# KiCad board panel.kicad_pcb (continued)
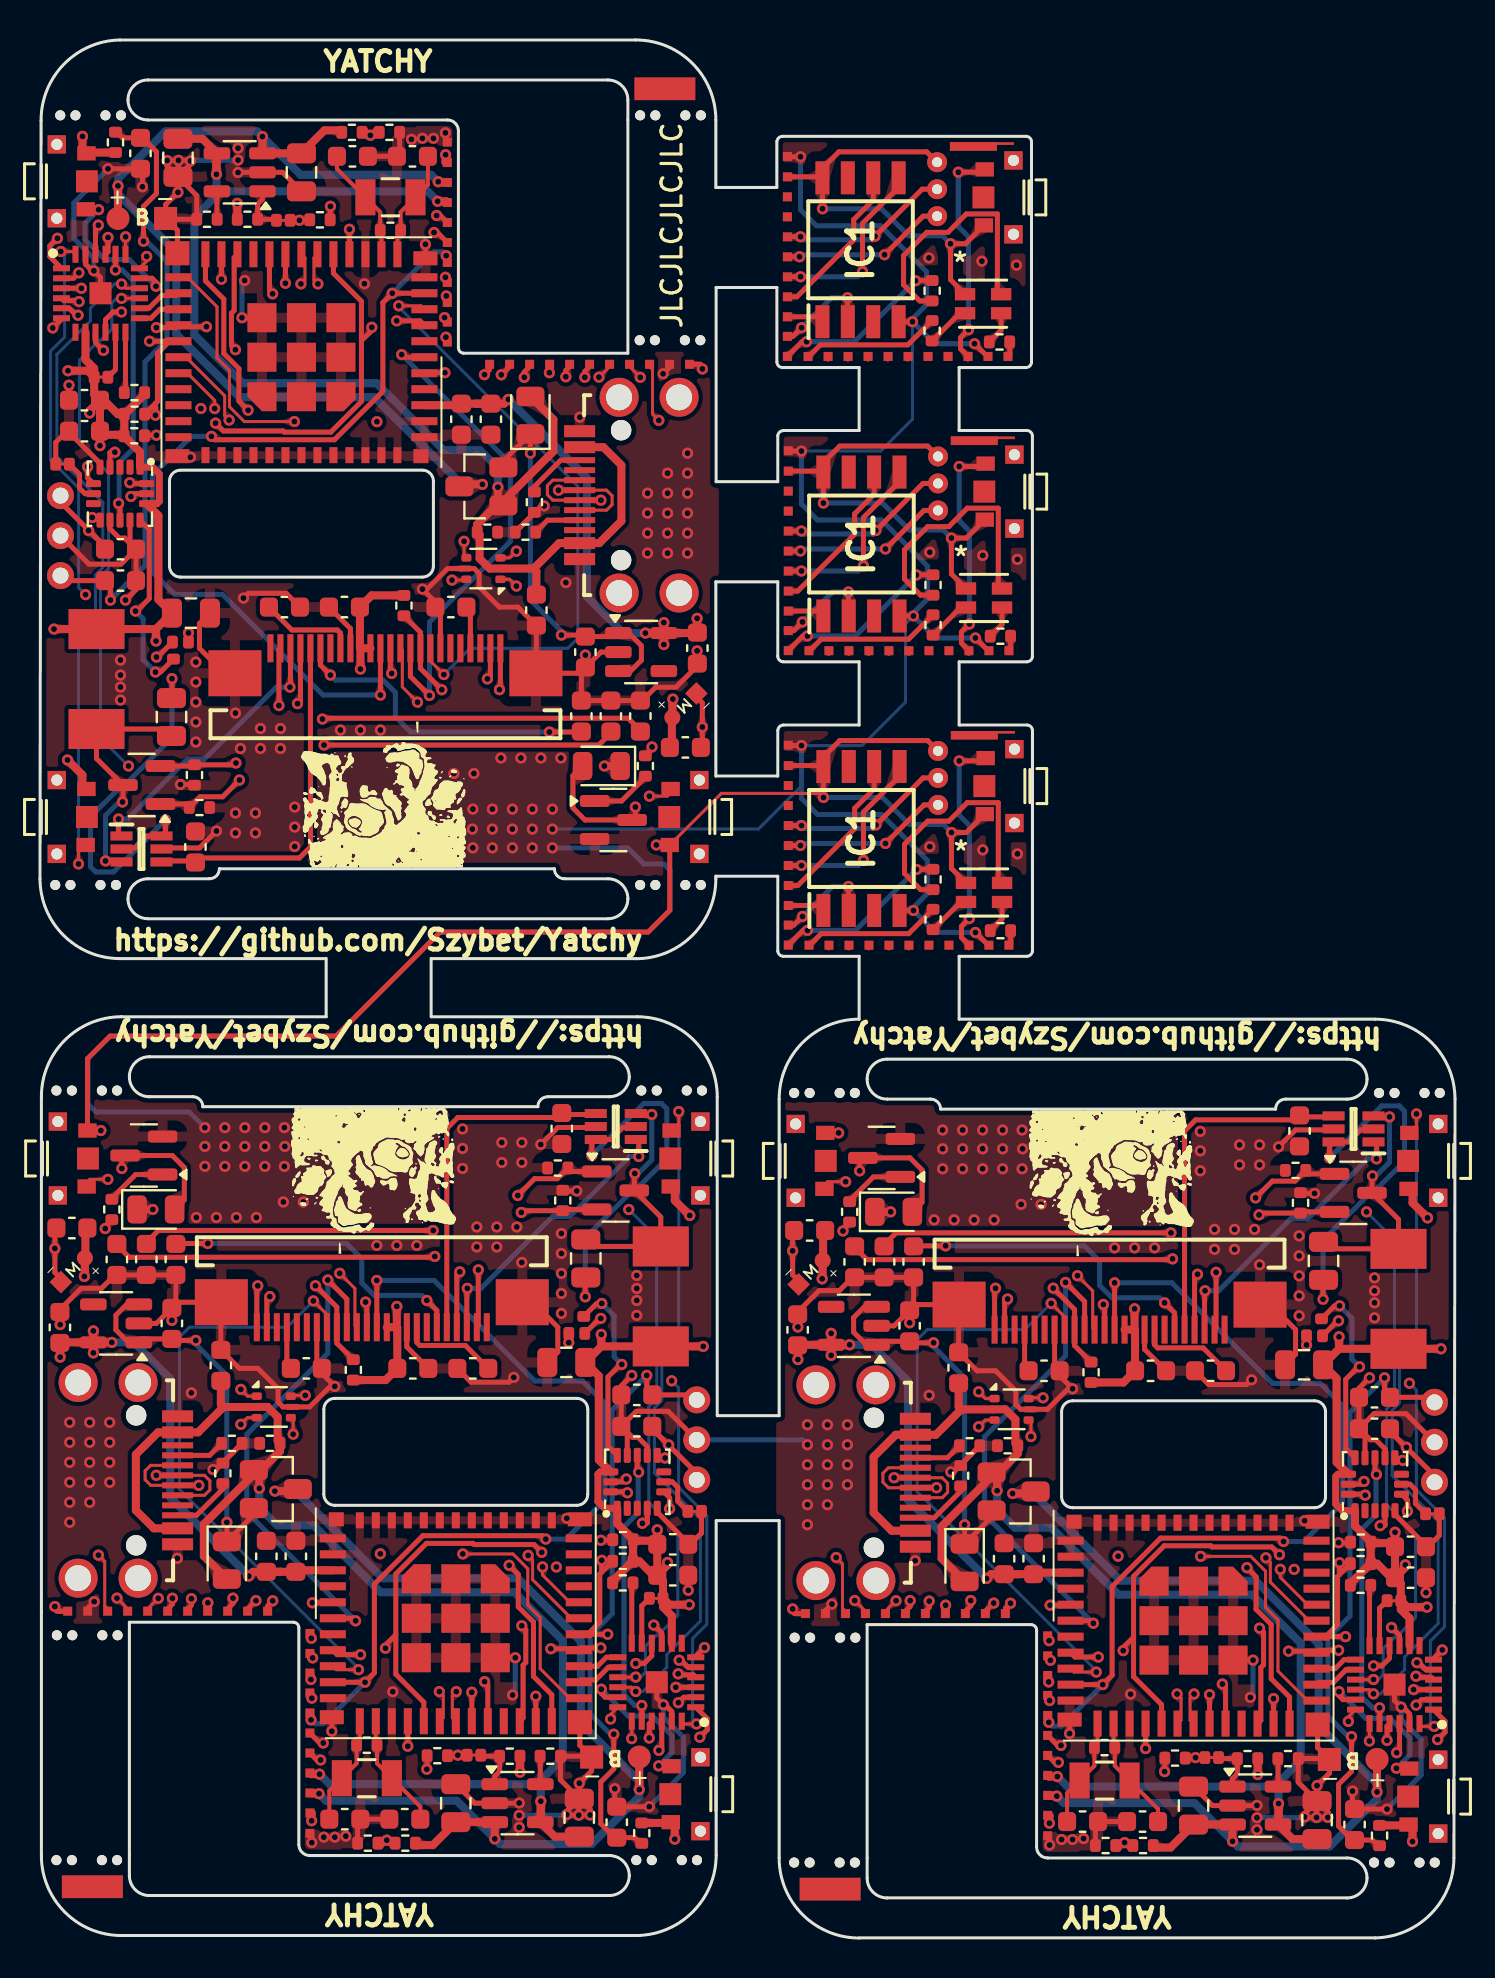
[diagram p0: board, top side]
## Library data of the parts
AC1 AC1#2 AC1#3 = -: Datasheet: http://www.st.com/content/ccc/resource/technical/document/datasheet/3c/ae/50/85/d6/b1/46/fe/CD00274221.pdf/files/CD00274221.pdf/jcr:content/translations/en.CD00274221.pdf; Description: Accelerometer 3-Axis 2g/16g 1.8V LGA16 STMicroelectronics LIS3DHTR Accelerometer IC, 3-axis, I2C, SPI 1.71  3.6 V, 16-Pin LGA; Height: 1; Manufacturer_Name: STMicroelectronics
BT1 BT1#2 BT1#3 = -: Description: Single-cell battery
C1#2 C2 C3#2 C4#2 C5 C6#2 C7#2 C8#2 C9 C10 C12#2 C13 C14#3 C18#3 C19#2 C20#3 C21#3 C22 C23#3 C24#2 C25 C26#3 C29 C30#3 = -: ki_fp_filters: C_*
D4#3 = -: ki_fp_filters: TO-???* *_Diode_* *SingleDiode* D_*
D5 D5#2 D5#3 = -: Datasheet: https://www.diodes.com/assets/Datasheets/BAT54TW_ADW_CDW_SDW_BRW.pdf; Description: Diodes Inc BAT54TW-7-F, Triple SMT Schottky Diode, Isolated, 30V 200mA, 5ns, 6-Pin SOT-363; Height: 1.1; Manufacturer_Name: Diodes Incorporated
D6 = -: Datasheet: http://www.vishay.com/docs/88503/1n4001.pdf; ki_fp_filters: D*DO?41*
D6#2 D6#3 = -: Datasheet: http://www.vishay.com/docs/88503/1n4001.pdf
IC1 IC1#2 IC1#3 = -: Datasheet: https://datasheet.datasheetarchive.com/originals/distributors/DKDS-14/274584.pdf; Description: IC FLASH 64M SPI 80MHZ 8SOP; Height: 2.16; Manufacturer_Name: Macronix
IC2 IC2#2 IC2#3 = -: Datasheet: https://ms.componentsearchengine.com/Datasheets/2/MCP23018-E_MJ.pdf; Description: MICROCHIP - MCP23018-E/MJ - I/O Expander, 16bit, 3.4 MHz, I2C, 1.8 V, 5.5 V, QFN; Height: 0.9; Manufacturer_Name: Microchip; Manufacturer_Part_Number: MCP23018-E/MJ
IC3 IC3#2 IC3#3 = -: Datasheet: https://datasheet.datasheetarchive.com/originals/distributors/Datasheets-DGA15/727147.pdf; Description: Microchip MCP73831T-2ATI/OT, Battery Charge Controller Lithium-Ion/Polymer, 500mA, 5-pin SOT-23; Height: 1.45; Manufacturer_Name: Microchip; Manufacturer_Part_Number: MCP73831T-2ATI/OT
J1 J1#2 J1#3 J1#6 J2 J2#2 J2#5 J2#6 J6 J6#3-J6#5 J7 J7#2 J7#3 J7#5 J8 J8#2 J8#4 J8#5 J9 J9#3-J9#5 J10#2 J10#4-J10#6 J11 J11#2 J11#4 J11#6 J12 J12#4-J12#6 J13 J13#2 J13#4 J13#6 J14#3-J14#6 J15 J15#4-J15#6 J16 J16#3-J16#5 J17 J17#2 J17#5 J17#6 J18#2-J18#5 J19 J19#2 J19#5 J19#6 J20 J20#2-J20#4 J21 J21#3-J21#5 J22 J22#3-J22#5 J23#2-J23#4 J23#6 J24 J24#2 J24#3 J24#5 J25 J25#2 J25#3 J25#6 = -: Description: Generic connector, single row, 01x01, script generated; ki_fp_filters: Connector*:*_1x??_*
J1#4 J1#5 J2#3 J2#4 J6#2 J6#6 J7#4 J7#6 J8#3 J8#6 J9#2 J9#6 J10 J10#3 J11#3 J11#5 J12#2 J12#3 J13#3 J13#5 J14 J14#2 J15#2 J15#3 J16#2 J16#6 J17#3 J17#4 J18 J18#6 J19#3 J19#4 J20#5 J20#6 J21#2 J21#6 J22#2 J22#6 J23 J23#5 J24#4 J24#6 J25#4 J25#5 = -: Description: Generic connector, single row, 01x01, script generated
J4 J4#2 J4#3 = -: Datasheet: https://www.gct.co/files/drawings/USB4730.pdf; Description: USB Connectors USB2.0 TypeC Recpt. Kit, w/GASKET GF, 16P Horz T.Mt. SMT, IP67; Height: 4.81; Mouser Part Number: 640-USB4730GFAKIT; Mouser Price/Stock: https://www.mouser.co.uk/ProductDetail/GCT/USB4730-GF-A-KIT?qs=Z%252BL2brAPG1IoU%252BBwnQ%2FE8Q%3D%3D; Manufacturer_Name: GCT (GLOBAL CONNECTOR TECHNOLOGY)
J5 J5#2 J5#3 = -: Datasheet: https://cdn.amphenol-cs.com/media/wysiwyg/files/drawing/10116954.pdf; Description: 24 Position FPC Connector Contacts, Top 0.020" (0.50mm) Surface Mount, Right Angle  Click Image to Enlarge Skip to the beginning of the images gallery OVERVIEW DESCRIPTION 0.50mm Flex Connector, SFV-R Series, 24 Position, Top Side Contact, Side Entry Surface Mount ZIF Connector, Halogen Free, Lead Free with Cable-Lock, Gold Flash; Height: 2; Manufacturer_Name: Amphenol
J26 J26#3 = -: Description: Generic connector, single row, 01x03, script generated
J26#2 = -: Description: Generic connector, single row, 01x03, script generated; ki_fp_filters: Connector*:*_1x??_*
JP2 JP2#2 JP3 JP3#3 JP4 JP4#3 = -: Description: Solder Jumper, 2-pole, closed/bridged
JP2#3 JP3#2 JP4#2 = -: Description: Solder Jumper, 2-pole, closed/bridged; ki_fp_filters: SolderJumper*Bridged*
L1#3 = -: ki_fp_filters: Choke_* *Coil* Inductor_* L_*
LED1 LED1#2 LED1#3 = -: ki_fp_filters: CLMVC-FKA-CL1D1L71BB7C3C3_CRE CLMVC-FKA-CL1D1L71BB7C3C3_CRE-M CLMVC-FKA-CL1D1L71BB7C3C3_CRE-L
M1#2 = -: ki_fp_filters: PinHeader*P2.54mm* TerminalBlock*
Q1 Q1#3 = -: Datasheet: http://www.diodes.com/assets/Datasheets/DMN3042L.pdf
Q1#2 = -: Datasheet: http://www.diodes.com/assets/Datasheets/DMN3042L.pdf; ki_fp_filters: SOT?23*
Q4#2 = -: ki_fp_filters: SOT?23*
R1 R1#4 R1#6 R2 R2#5 R2#6 R3 R3#2 R3#3 = -: Description: Resistor; ki_fp_filters: R_*
R1#2 R2#3 R4#3 R5#2 R6#2 R7#3 R8 R9 R11#2 R12 R14#3 R15 R16#3 R17#3 R18 R20#3 R21 = -: ki_fp_filters: R_*
SW1#2-SW1#4 SW1#6 SW2 SW3#3 = -: ki_fp_filters: SW_EVP-AKE31A_PAN
TP1 TP1#4-TP1#6 TP2 TP2#2 TP2#4 TP2#6 TP3 TP3#3 TP3#4 TP3#6 = -: Description: test point; ki_fp_filters: Pin* Test*
TP1#2 TP1#3 TP2#3 TP2#5 TP3#2 TP3#5 = -: Description: test point
U1 U1#3 = -: Datasheet: https://www.st.com/resource/en/datasheet/usblc6-2.pdf; Description: Very low capacitance ESD protection diode, 2 data-line, SOT-666
U1#2 = -: Datasheet: https://www.st.com/resource/en/datasheet/usblc6-2.pdf; Description: Very low capacitance ESD protection diode, 2 data-line, SOT-666; ki_fp_filters: SOT?666*
U2 U2#3 = -: Datasheet: http://www.ti.com/lit/ds/symlink/tlv755p.pdf; Description: 500mA Low Dropout Voltage Regulator, Fixed Output 3.3V, SOT-23-5; Height: 1.45; Manufacturer_Name: Microchip; Manufacturer_Part_Number: MCP73831T-2ATI/OT
U2#2 = -: Datasheet: http://www.ti.com/lit/ds/symlink/tlv755p.pdf; Description: 500mA Low Dropout Voltage Regulator, Fixed Output 3.3V, SOT-23-5; Height: 1.45; Manufacturer_Name: Microchip; Manufacturer_Part_Number: MCP73831T-2ATI/OT; ki_fp_filters: SOT?23*
U3 U3#2 U3#3 = -: PARTREV: 1.0; STANDARD: Manufacturer recommendations; MAXIMUM_PACKAGE_HEIGHT: 2.55 mm; MANUFACTURER: Espressif Systems
Y2 = -: Description: Two pin crystal; ki_fp_filters: Crystal*
Y2#2 Y2#3 = -: Description: Two pin crystal

## Footprints (pads in the part's own frame, mm; a bottom-side part is the same pattern mirrored in y, then rotated)
Battery_Header
  oval 1.15x1.15 smd: 1(-1.05,0.067)
  rect 1.15x1.15 smd: 2(1.333,0.067)
C_0603_1608Metric
  rrect 0.9x0.95 smd: 1(-0.775,0) 2(0.775,0)
C_0805_2012Metric
  rrect 1x1.45 smd: 1(-0.95,0) 2(0.95,0)
CLMVC-FKA-CL1D1L71BB7C3C3_CRE
  rect 1.016x0.61 smd: 1(-0.902,0.475) 2(0.902,0.475) 3(0.902,-0.475) 4(-0.902,-0.475)
D_0805_2012Metric
  rrect 0.975x1.4 smd: 1(-0.938,0) 2(0.938,0)
HPI0530-100
  rect 2x2.8 smd: 1(2.5,0.25) 2(-2.5,0.25)
LGA-16_3x3mm_P0.5mm_LayoutBorder3x5y_handsolder
  rrect 0.75x0.35 smd: 1(-1.325,1) 2(-1.325,0.5) 3(-1.325,0) 4(-1.325,-0.5) 5(-1.325,-1) 9(1.325,-1) 10(1.325,-0.5) 11(1.325,0) 12(1.325,0.5) 13(1.325,1)
  rrect 0.35x0.75 smd: 6(-0.5,-1.325) 7(0,-1.325) 8(0.5,-1.325) 14(0.5,1.325) 15(0,1.325) 16(-0.5,1.325)
mod_Connector
  rect 0.45x0.45 smd: 1(0,-0.01)
Motor_Header
  oval 0.8x0.8 smd: 1(0,0)
  rect 0.8x0.8 smd: 2(0,-1.7)
mouse-bite-3mm-slot
  round 0.5 hole 0.5 unplated: (-1.512,0) (-0.75,0) (0.75,0) (1.524,0)
PinHeader_1x03_P2.00mm_Horizontal_Small
  round 1.35 hole 0.8: 1(0,0)
  oval 1.35x1.35 hole 0.8: 2(0,-2) 3(0,-4)
QFN50P400X400X90-25N-D
  rect 0.85x0.3 smd: 1(-1.95,1.25) 2(-1.95,0.75) 3(-1.95,0.25) 4(-1.95,-0.25) 5(-1.95,-0.75) 6(-1.95,-1.25) 13(1.95,-1.25) 14(1.95,-0.75) 15(1.95,-0.25) 16(1.95,0.25) 17(1.95,0.75) 18(1.95,1.25)
  rect 0.3x0.85 smd: 7(-1.25,-1.95) 8(-0.75,-1.95) 9(-0.25,-1.95) 10(0.25,-1.95) 11(0.75,-1.95) 12(1.25,-1.95) 19(1.25,1.95) 20(0.75,1.95) 21(0.25,1.95) 22(-0.25,1.95) 23(-0.75,1.95) 24(-1.25,1.95)
  rect 1.1x1.1 smd: 25(0,0)
R_0402_1005Metric
  rrect 0.54x0.64 smd: 1(-0.51,0) 2(0.51,0)
SFV24R4STBE1HLF
  rect 0.3x1.4 smd: 1(-5.75,2.25) 2(-5.25,2.25) 3(-4.75,2.25) 4(-4.25,2.25) 5(-3.75,2.25) 6(-3.25,2.25) 7(-2.75,2.25) 8(-2.25,2.25) 9(-1.75,2.25) 10(-1.25,2.25) 11(-0.75,2.25) 12(-0.25,2.25) 13(0.25,2.25) 14(0.75,2.25) 15(1.25,2.25) 16(1.75,2.25) 17(2.25,2.25) 18(2.75,2.25) 19(3.25,2.25) 20(3.75,2.25) 21(4.25,2.25) 22(4.75,2.25) 23(5.25,2.25) 24(5.75,2.25)
  rect 2.65x2.3 smd: MP1(-7.525,1) MP2(7.525,1)
SOIC127P790X216-8N
  rect 1.65x0.7 smd: 1(-3.6,1.905) 2(-3.6,0.635) 3(-3.6,-0.635) 4(-3.6,-1.905) 5(3.6,-1.905) 6(3.6,-0.635) 7(3.6,0.635) 8(3.6,1.905)
SolderJumper_Bridged_Small
  rrect 0.54x0.64 smd: 1(-0.535,0) 2(0.15,0)
SOT65P222X110-6N
  rect 1.1x0.45 smd: 1(-1,0.65) 2(-1,0) 3(-1,-0.65) 4(1,-0.65) 5(1,0) 6(1,0.65)
SOT-23
  rrect 1.475x0.6 smd: 1(-0.938,0.95) 2(-0.938,-0.95) 3(0.938,0)
SOT-23-5
  rrect 1.325x0.6 smd: 1(-1.137,0.95) 2(-1.137,0) 3(-1.137,-0.95) 4(1.137,-0.95) 5(1.137,0.95)
SOT-666
  rrect 0.5x0.375 smd: 1(-0.85,0.537) 3(-0.85,-0.537) 4(0.85,-0.537) 6(0.85,0.537)
  rrect 0.65x0.3 smd: 2(-0.925,0) 5(0.925,0)
SuperSOT-3
  rrect 1.4x1 smd: 1(-1.1,0.95) 2(-1.1,-0.95) 3(1.1,0)
SW_EVP-AKE31A_PAN
  rect 0.711x0.918 smd: 1(-1.4,-1.059) 2(1.4,-1.1)
  rect 0.914x0.914 hole 0.559: 3(-1.848,0.381) 4(1.848,0.381)
  rect 1.1x1.092 smd: 5(0,-1.124)
testpoint
  rrect 0.54x0.64 smd: 1(0,0)
TestPoint_THTPad_D1.0mm_Drill0.5mm
  round 1 hole 0.5: 1(0,0)
USB4730GFAKIT
  round 1.02 hole 1.02 unplated: (-3.25,1.963) (3.25,1.963)
  rect 0.6x1.55 smd: A1(-3.2,4.037) A4(-2.4,4.037) A9(2.4,4.037) A12(3.2,4.037)
  rect 0.3x1.55 smd: A5(-1.25,4.037) A6(-0.25,4.037) A7(0.25,4.037) A8(1.25,4.037) B5(1.75,4.037) B6(0.75,4.037) B7(-0.75,4.037) B8(-1.75,4.037)
  round 1.95 hole 1.3: MH1(-4.895,2.063) MH2(-4.895,-0.937) MH3(4.895,-0.937) MH4(4.895,2.063)
XCVR_ESP32-C6-MINI-1-N4
  rect 1.3x0.4 smd: 1(-6.15,4) 2(-6.15,3.2) 3(-6.15,2.4) 4(-6.15,1.6) 5(-6.15,0.8) 6(-6.15,0) 7(-6.15,-0.8) 8(-6.15,-1.6) 9(-6.15,-2.4) 10(-6.15,-3.2) 11(-6.15,-4) 25(6.15,-4) 26(6.15,-3.2) 27(6.15,-2.4) 28(6.15,-1.6) 29(6.15,-0.8) 30(6.15,0) 31(6.15,0.8) 32(6.15,1.6) 33(6.15,2.4) 34(6.15,3.2) 35(6.15,4)
  rect 0.4x1.3 smd: 12(-4.8,-5.15) 13(-4,-5.15) 14(-3.2,-5.15) 15(-2.4,-5.15) 16(-1.6,-5.15) 17(-0.8,-5.15) 18(0,-5.15) 19(0.8,-5.15) 20(1.6,-5.15) 21(2.4,-5.15) 22(3.2,-5.15) 23(4,-5.15) 24(4.8,-5.15)
  rect 0.4x0.8 smd: 36(4.8,4.9) 37(4,4.9) 38(3.2,4.9) 39(2.4,4.9) 40(1.6,4.9) 41(0.8,4.9) 42(0,4.9) 43(-0.8,4.9) 44(-1.6,4.9) 45(-2.4,4.9) 46(-3.2,4.9) 47(-4,4.9) 48(-4.8,4.9)
  custom 1.46x1.46 smd: 49_1(-1.975,1.975)
  rect 1.45x1.45 smd: 49_2(0,1.975) 49_4(-1.975,0) 49_5(0,0) 49_6(1.975,0) 49_7(-1.975,-1.975) 49_8(0,-1.975) 49_9(1.975,-1.975)
  rrect 1.45x1.45 smd: 49_3(1.975,1.975)
  rect 1.2x0.7 smd: 50(6.2,4.95) 52(-6.2,-4.95)
  rect 1.207x1.201 smd: 51(6.203,-5.2)
  rect 0.75x0.7 smd: 53(-5.975,4.95)
XTAL_9HT10_TXC
  rect 1.003x1.803 smd: 1(-1.251,0) 2(1.251,0)

## Nets
+3V3: AC1.1 AC1.14 AC1#2.1 AC1#2.14 AC1#3.1 AC1#3.14 C4.1 C4#2.1 C4#3.1 C7.2 C7#2.2 C7#3.2 C12.1 C12#2.1 C12#3.1 C14.1 C14#2.1 C14#3.1 C23.1 C23#2.1 C23#3.1 C24.1 C24#2.1 C24#3.1 C29.2 C29#2.2 C29#3.2 C30.2 C30#2.2 C30#3.2 D6.1 D6#2.1 D6#3.1 IC1.8 IC1#2.8 IC1#3.8 IC2.8 IC2#2.8 IC2#3.8 J5.10 J5.11 J5#2.10 J5#2.11 J5#3.10 J5#3.11 J7.1 J7#2.1 J7#3.1 J7#4.1 J7#5.1 J7#6.1 JP3.2 JP3#2.2 JP3#3.2 L1.2 L1#2.2 L1#3.2 LED1.1 LED1#2.1 LED1#3.1 M1.1 M1#2.1 M1#3.1 R1#2.1 R1#3.1 R1#5.1 R2#2.1 R2#3.1 R2#4.1 R7.1 R7#2.1 R7#3.1 R12.1 R12#2.1 R12#3.1 R16.1 R16#2.1 R16#3.1 R20.1 R20#2.1 R20#3.1 SW1.2 SW1#2.2 SW1#3.2 SW1#4.2 SW1#5.2 SW1#6.2 SW2.2 SW2#2.2 SW2#3.2 SW3.2 SW3#2.2 SW3#3.2 TP1.1 TP1#5.1 TP1#6.1 U2.5 U2#2.5 U2#3.5 U3.3 U3#2.3 U3#3.3
GND: AC1.5 AC1.10 AC1.12 AC1#2.5 AC1#2.10 AC1#2.12 AC1#3.5 AC1#3.10 AC1#3.12 BT1.2 BT1#2.2 BT1#3.2 C1.2 C1#2.2 C1#3.2 C2.2 C2#2.2 C2#3.2 C4.2 C4#2.2 C4#3.2 C5.2 C5#2.2 C5#3.2 C6.2 C6#2.2 C6#3.2 C7.1 C7#2.1 C7#3.1 C8.2 C8#2.2 C8#3.2 C9.2 C9#2.2 C9#3.2 C10.2 C10#2.2 C10#3.2 C12.2 C12#2.2 C12#3.2 C13.2 C13#2.2 C13#3.2 C18.1 C18#2.1 C18#3.1 C19.2 C19#2.2 C19#3.2 C20.2 C20#2.2 C20#3.2 C21.2 C21#2.2 C21#3.2 C22.2 C22#2.2 C22#3.2 C23.2 C23#2.2 C23#3.2 C24.2 C24#2.2 C24#3.2 C25.2 C25#2.2 C25#3.2 C26.1 C26#2.1 C26#3.1 C29.1 C29#2.1 C29#3.1 C30.1 C30#2.1 C30#3.1 D5.5 D5#2.5 D5#3.5 IC1.4 IC1#2.4 IC1#3.4 IC2.23 IC2.25 IC2#2.23 IC2#2.25 IC2#3.23 IC2#3.25 IC3.2 IC3#2.2 IC3#3.2 J1.1 J1#2.1 J1#3.1 J1#4.1 J1#5.1 J1#6.1 J2.1 J2#2.1 J2#3.1 J2#4.1 J2#5.1 J2#6.1 J4.A1 J4.A12 J4#2.A1 J4#2.A12 J4#3.A1 J4#3.A12 J5.9 J5.18 J5.MP1 J5.MP2 J5#2.9 J5#2.18 J5#2.MP1 J5#2.MP2 J5#3.9 J5#3.18 J5#3.MP1 J5#3.MP2 J26.2 J26#2.2 J26#3.2 JP4.2 JP4#2.2 JP4#3.2 Q5.2 Q5#2.2 Q5#3.2 R4.2 R4#2.2 R4#3.2 R5.2 R5#2.2 R5#3.2 R8.2 R8#2.2 R8#3.2 R9.1 R9#2.1 R9#3.1 R14.2 R14#2.2 R14#3.2 R15.1 R15#2.1 R15#3.1 R18.2 R18#2.2 R18#3.2 U1.5 U1#2.5 U1#3.5 U2.2 U2#2.2 U2#3.2 U3.1 U3.2 U3.11 U3.14 U3.36 U3.37 U3.38 U3.39 U3.40 U3.41 U3.42 U3.43 U3.44 U3.45 U3.46 U3.47 U3.48 U3.49_1 U3.49_2 U3.49_3 U3.49_4 U3.49_5 U3.49_6 U3.49_7 U3.49_8 U3.49_9 U3.50 U3.51 U3.52 U3.53 U3#2.1 U3#2.2 U3#2.11 U3#2.14 U3#2.36 U3#2.37 U3#2.38 U3#2.39 U3#2.40 U3#2.41 U3#2.42 U3#2.43 U3#2.44 U3#2.45 U3#2.46 U3#2.47 U3#2.48 U3#2.49_1 U3#2.49_2 U3#2.49_3 U3#2.49_4 U3#2.49_5 U3#2.49_6 U3#2.49_7 U3#2.49_8 U3#2.49_9 U3#2.50 U3#2.51 U3#2.52 U3#2.53 U3#3.1 U3#3.2 U3#3.11 U3#3.14 U3#3.36 U3#3.37 U3#3.38 U3#3.39 U3#3.40 U3#3.41 U3#3.42 U3#3.43 U3#3.44 U3#3.45 U3#3.46 U3#3.47 U3#3.48 U3#3.49_1 U3#3.49_2 U3#3.49_3 U3#3.49_4 U3#3.49_5 U3#3.49_6 U3#3.49_7 U3#3.49_8 U3#3.49_9 U3#3.50 U3#3.51 U3#3.52 U3#3.53
VBUS: C21.1 C21#2.1 C21#3.1 C25.1 C25#2.1 C25#3.1 D4.2 D4#2.2 D4#3.2 IC3.4 IC3#2.4 IC3#3.4 J4.A4 J4.A9 J4#2.A4 J4#2.A9 J4#3.A4 J4#3.A9 J8.1 J8#2.1 J8#3.1 J8#4.1 J8#5.1 J8#6.1 Q4.1 Q4#2.1 Q4#3.1 R14.1 R14#2.1 R14#3.1 U1.2 U1#2.2 U1#3.2
+BATT: BT1.1 BT1#2.1 BT1#3.1 C26.2 C26#2.2 C26#3.2 IC3.3 IC3#2.3 IC3#3.3 J6.1 J6#2.1 J6#3.1 J6#4.1 J6#5.1 J6#6.1 Q4.3 Q4#2.3 Q4#3.3 R11.1 R11#2.1 R11#3.1
ACC_INT_1: AC1.11 AC1#2.11 AC1#3.11 IC2.20 IC2#2.20 IC2#3.20
ACC_INT_2: AC1.9 AC1#2.9 AC1#3.9 IC2.19 IC2#2.19 IC2#3.19
ADC: R11.2 R11#2.2 R11#3.2 R18.1 R18#2.1 R18#3.1 U3.15 U3#2.15 U3#3.15
BTN_1: IC2.15 IC2#2.15 IC2#3.15 SW1.1 SW1#4.1 SW1#5.1
BTN_2: IC2.16 IC2#2.16 IC2#3.16 SW2.1 SW2#2.1 SW2#3.1
BTN_3: IC2.17 IC2#2.17 IC2#3.17 SW3.1 SW3#2.1 SW3#3.1
BTN_4: IC2.18 IC2#2.18 IC2#3.18 J25.1 J25#2.1 J25#3.1 J25#4.1 J25#5.1 J25#6.1 SW1#2.1 SW1#3.1 SW1#6.1
BUSY: J5.17 J5#2.17 J5#3.17 U3.9 U3#2.9 U3#3.9
CLOCK_N: C19.1 C19#2.1 C19#3.1 R21.1 R21#2.1 R21#3.1 U3.13 U3#2.13 U3#3.13 Y2.1 Y2#2.1 Y2#3.1
CLOCK_P: C20.1 C20#2.1 C20#3.1 R21.2 R21#2.2 R21#3.2 U3.12 U3#2.12 U3#3.12 Y2.2 Y2#2.2 Y2#3.2
CS: IC2.24 IC2#2.24 IC2#3.24 J5.14 J5#2.14 J5#3.14
DC: J5.15 J5#2.15 J5#3.15 U3.6 U3#2.6 U3#3.6
DN: U1.4 U1#2.4 U1#3.4 U3.17 U3#2.17 U3#3.17
DP: U1.6 U1#2.6 U1#3.6 U3.18 U3#2.18 U3#3.18
EN: C13.1 C13#2.1 C13#3.1 C18.2 C18#2.2 C18#3.2 J26.1 J26#2.1 J26#3.1 R7.2 R7#2.2 R7#3.2 U3.8 U3#2.8 U3#3.8
GDR: J5.24 J5#2.24 J5#3.24 Q1.1 Q1#2.1 Q1#3.1 R8.1 R8#2.1 R8#3.1
GPIO9: C1.1 C1#2.1 C1#3.1 J26.3 J26#2.3 J26#3.3 U3.23 U3#2.23 U3#3.23
INT_A: IC2.14 IC2#2.14 IC2#3.14 U3.26 U3#2.26 U3#3.26
INT_B: IC2.13 IC2#2.13 IC2#3.13 U3.27 U3#2.27 U3#3.27
MOD_CS: IC1.1 IC1#2.1 IC1#3.1 IC2.1 IC2#2.1 IC2#3.1 J11.1 J11#2.1 J11#3.1 J11#4.1 J11#5.1 J11#6.1
MOD_ExB2: IC2.2 IC2#2.2 IC2#3.2 J20.1 J20#2.1 J20#3.1 J20#4.1 J20#5.1 J20#6.1 R3.2 R3#2.2 R3#3.2
MOD_ExB3: IC2.3 IC2#2.3 IC2#3.3 J21.1 J21#2.1 J21#3.1 J21#4.1 J21#5.1 J21#6.1 R2.2 R2#5.2 R2#6.2
MOD_ExB4: IC2.4 IC2#2.4 IC2#3.4 J22.1 J22#2.1 J22#3.1 J22#4.1 J22#5.1 J22#6.1 R1.2 R1#4.2 R1#6.2
MOD_ExB5: IC2.5 IC2#2.5 IC2#3.5 J23.1 J23#2.1 J23#3.1 J23#4.1 J23#5.1 J23#6.1
MOD_ExB6: IC2.6 IC2#2.6 IC2#3.6 J24.1 J24#2.1 J24#3.1 J24#4.1 J24#5.1 J24#6.1
MOD_IO15: J17.1 J17#2.1 J17#3.1 J17#4.1 J17#5.1 J17#6.1 U3.20 U3#2.20 U3#3.20
MOD_IO18: J16.1 J16#2.1 J16#3.1 J16#4.1 J16#5.1 J16#6.1 U3.24 U3#2.24 U3#3.24
MOD_IO19: J15.1 J15#2.1 J15#3.1 J15#4.1 J15#5.1 J15#6.1 U3.25 U3#2.25 U3#3.25
MOD_MISO: IC1.2 IC1#2.2 IC1#3.2 J14.1 J14#2.1 J14#3.1 J14#4.1 J14#5.1 J14#6.1 U3.22 U3#2.22 U3#3.22
MOD_RX: J18.1 J18#2.1 J18#3.1 J18#4.1 J18#5.1 J18#6.1 U3.30 U3#2.30 U3#3.30
MOD_TX: J19.1 J19#2.1 J19#3.1 J19#4.1 J19#5.1 J19#6.1 U3.31 U3#2.31 U3#3.31
MOSI: IC1.5 IC1#2.5 IC1#3.5 J5.12 J5#2.12 J5#3.12 J13.1 J13#2.1 J13#3.1 J13#4.1 J13#5.1 J13#6.1 U3.10 U3#2.10 U3#3.10
PREVGH: C5.1 C5#2.1 C5#3.1 D5.4 D5#2.4 D5#3.4 J5.5 J5#2.5 J5#3.5
PREVGL: D5.1 D5#2.1 D5#3.1 J5.3 J5#2.3 J5#3.3
RES: J5.16 J5#2.16 J5#3.16 R20.2 R20#2.2 R20#3.2 U3.5 U3#2.5 U3#3.5
RESE: J5.23 J5#2.23 J5#3.23 Q1.2 Q1#2.2 Q1#3.2 R9.2 R9#2.2 R9#3.2
SCK: IC1.6 IC1#2.6 IC1#3.6 J5.13 J5#2.13 J5#3.13 J12.1 J12#2.1 J12#3.1 J12#4.1 J12#5.1 J12#6.1 U3.16 U3#2.16 U3#3.16
SCL: AC1.4 AC1#2.4 AC1#3.4 IC2.9 IC2#2.9 IC2#3.9 J9.1 J9#2.1 J9#3.1 J9#4.1 J9#5.1 J9#6.1 R1#2.2 R1#3.2 R1#5.2 TP2.1 TP2#4.1 TP2#6.1 U3.29 U3#2.29 U3#3.29
SDA: AC1.6 AC1#2.6 AC1#3.6 IC2.10 IC2#2.10 IC2#3.10 J10.1 J10#2.1 J10#3.1 J10#4.1 J10#5.1 J10#6.1 R2#2.2 R2#3.2 R2#4.2 TP3.1 TP3#4.1 TP3#6.1 U3.28 U3#2.28 U3#3.28
STAT_IN: IC2.21 IC2#2.21 IC2#3.21 JP2.2 JP2#2.2 JP2#3.2 R6.1 R6#2.1 R6#3.1
STAT_OUT: IC2.22 IC2#2.22 IC2#3.22 R6.2 R6#2.2 R6#3.2
UP_ DN: J4.A7 J4.B7 J4#2.A7 J4#2.B7 J4#3.A7 J4#3.B7 U1.3 U1#2.3 U1#3.3